# Altium PCB 606-100835-r03.pcbdoc (part 3 of 3) (continued)
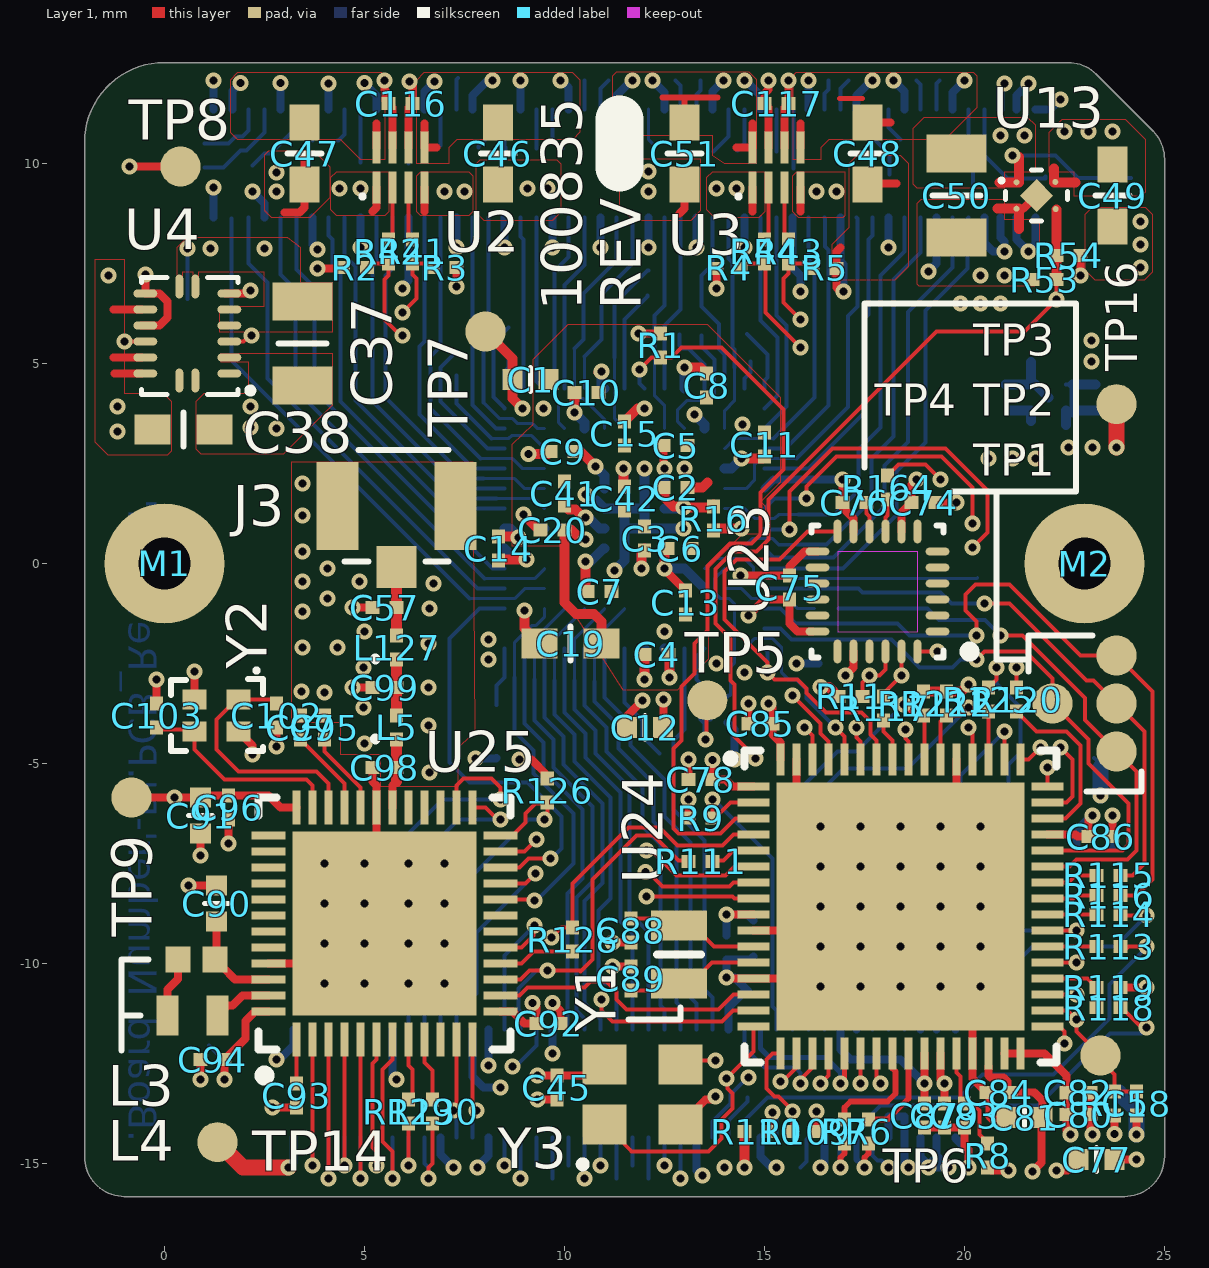
[diagram p0: Layer 1 view]
## Silkscreen, mask and mechanical layers (free items; w line width, h text height) (continued)
  text "LAYER 2 (POWER)" at 23.875,310.3 h2.29
  text "AND COPPER WEIGHT." at -247.908,308.845 h2.03
  text "DIELECTRIC" at -38.7,305.75 h2.29
  text "B  MANUFACTURER SHALL SUBMIT A PROPOSED STACK UP FOR SYNAPSE APPROVAL" at -247.908,304.845 h2.03
  text "LAYER 3 (SIGNAL)" at 23.875,301.325 h2.29
  text "1/2 OZ CU" at -39.025,301.05 h2.29
  text "IF MODIFICATION IS REQUIRED." at -247.908,300.845 h2.03
  text "1.57 +/-0.15" at -80.151,300.679 h2.29
  text "C  NO MATERIAL SUBSTITUTIONS WILL BE ALLOWED WITHOUT SYNAPSE APPROVAL." at -247.908,296.845 h2.03
  text "FINISHED" at -76.487,295.679 h2.29
  text "DIELECTRIC" at -38.175,294.65 h2.29
  text "6   PROCESSING ALLOWANCE:" at -247.908,290.845 h2.03
  text "THICKNESS" at -77.903,290.679 h2.29
  text "1/2 OZ CU" at -39.3,287.025 h2.29
  text "A  LAYER REGISTRATION FROM PRIMARY SIDE TO SECONDARY SIDE SHALL NOT" at -247.908,286.845 h2.03
  text "LAYER 4 (SIGNAL)" at 23.7,286.575 h2.29
  text "EXCEED 0.13mm TOTAL." at -247.908,282.845 h2.03
  text "DIELECTRIC" at -38.375,282.375 h2.29
  text "B  MAXIMUM BOW AND TWIST SHALL BE .75% PER IPC-TM-650." at -247.908,278.845 h2.03
  text "1/2 OZ CU" at -39.05,277.75 h2.29
  text "BLIND VIAS Layers 4-6" at 57.7,277.225 h2.29
  text "LAYER 5 (GROUND)" at 23.875,277.125 h2.29
  text "7   VIAS" at -247.908,272.845 h2.03
  text "DIELECTRIC" at -38,271.1 h2.29
  text "A  VIAS WITH A FINISHED HOLE SIZE OF 0.25mm OR SMALLER DO NOT REQUIRE" at -247.908,268.845 h2.03
  text "LAYER 6 (SIGNAL)" at 24.263,266.9 h2.29
  text "1/4 OZ CU" at -38.875,265.225 h2.29
  text "A MINIMUM HOLE SIZE AND MAY BE PLATED SHUT OR FILLED WITH SOLDER" at -247.908,264.845 h2.03
  text "SOLDERMASK" at 24.364,261.316 h2.29
  text "MASK. MINIMUM SOLDER PLATING MUST BE MAINTAINED." at -247.908,260.845 h2.03
  text "B  ALL LASER VIA IN PADS TO BE COPLANAR IF PRESENT IN DESIGN." at -247.908,256.845 h2.03
  text "SILKSCREEN" at 24.364,255.316 h2.29
  text "C  ALL VIAS AND PLATED TROUGH-HOLES CAN BE STACKED AS REQUIRED FOR BEST BUILD." at -247.85,252.825 h2.03
  text "D  ALL DRILLED VIAS-IN-PAD TO BE FILLED WITH NON-CONDUCTIVE EPOXY." at -247.85,248.825 h2.03
  text "SECONDARY SIDE" at -10.4,248.45 h2.29
  text "8   CONDUCTORS:  COPPER FOIL SHALL BE IN ACCORDANCE WITH IPC-4562/0." at -247.908,240.62 h2.03
  text "A  FINISH. COPPER PLATE THICKNESS ON SURFACE COPPER AND PLATED" at -247.908,236.62 h2.03
  text "THROUGH HOLES TO BE 0.025mm MINIMUM." at -247.908,232.62 h2.03
  text "LAYER DETAIL" at -20.647,229.681 h5.08
  text "B  MINIMUM FINISH CONDUCTOR WIDTH IS 0.083mm" at -247.908,228.62 h2.03
  text "C  MINIMUM FINISHED CONDUCTOR SPACING (AIR GAP) INCLUDING PADS, VIAS," at -247.908,224.62 h2.03
  text "SCALE:NONE" at -6.923,222.676 h2.29
  text "SHAPES, ETC. IS 0.083mm." at -247.908,220.62 h2.03
  text "9   FINAL FINISH SHALL BE ELECTROLESS NICKEL / IMMERSION GOLD (ENIG)." at -247.908,214.62 h2.03
  text "CAP CONSTRUCTION SHOWN (PREFERRED)" at -26.907,214.481 h2.29
  text "FINISH THICKNESS SHALL BE 3 TO 6 um [118 TO 236 MICROINCHES] OF NICKEL" at -247.908,210.62 h2.03
  text "CORE CONSTRUCTION ACCEPTABLE" at -21.411,209.676 h2.29
  text "AND 0.04 TO 0.125um [1.5 TO 5 MICROINCHES] OF GOLD." at -247.908,206.62 h2.03
  text "FINISH SHALL BE RoHS COMPLIANT AND MEET REQUIREMENTS OF IPC-4552." at -247.908,202.62 h2.03
  text "C" at 515.127,202.346 h7.62
  text "C" at -269.682,202.143 h7.62
  text "10  FILLETING IS NOT PERMITTED WITHOUT PRIOR SYNAPSE APPROVAL." at -247.908,196.62 h2.03
  text "11  SOLDER MASK AND COATING:" at -247.908,190.62 h2.03
  text "A  APPLY SOLDERMASK TO PRIMARY AND SECONDARY" at -247.908,185.62 h2.03
  text "SIDES OF PRINTED WIRING BOARD USING SUPPLIED GERBER FILES IN ACCORDANCE" at -247.908,181.62 h2.03
  text "WITH IPC-SM-840, THICKNESS BETWEEN 0.02 - 0.04mm, COLOR GREEN LIQUID" at -247.908,177.62 h2.03
  text "REF" at -19.191,175.19 h2.29
  text "TRACE" at 31.977,175.19 h2.29
  text "DIFF" at 45.893,175.19 h2.29
  text "SIG" at 58.809,175.19 h2.29
  text "PHOTO-IMAGEABLE, CLASS 2." at -247.908,173.62 h2.03
  text "LAYER" at -60.023,173.19 h2.29
  text "IMPEDANCE" at -41.687,173.19 h2.29
  text "TYPE" at 5.893,173.19 h2.29
  text "LYR" at -19.191,171.19 h2.29
  text "WIDTH" at 31.977,171.19 h2.29
  text "GAP" at 45.809,171.19 h2.29
  text "TYPE" at 58.893,171.19 h2.29
  text "B  DO NOT ADJUST SOLDERMASK-DEFINED CLEARANCE." at -247.908,168.62 h2.03
  text "12  OVERALL BOARD THICKNESS SHALL BE MEASURED OVER FINAL FINISH INCLUDING" at -247.908,162.62 h2.03
  text "50 OHM" at -41.443,160.74 h2.29
  text "3" at -17.359,160.74 h2.29
  text ".279" at 32.893,160.74 h2.29
  text "COPLANAR WAVEGUIDE" at -8.35,160.325 h2.29
  text "LAYER 1" at -61.855,160.19 h2.29
  text "SOLDER MASK." at -247.908,158.62 h2.03
  text "13  SILKSCREEN:  APPLY SILKSCREEN (LEGEND) TO PRIMARY AND SECONDARY SIDES" at -247.908,152.62 h2.03
  text "OF PRINTED CIRCUIT BOARD. USE PERMANENT INK, NON-NUTRIENT, NON-" at -247.908,148.62 h2.03
  text "LAYER 6" at -61.855,148.19 h2.29
  text "CONDUCTIVE POLYMER, COLOR WHITE, PER IPC-4781, TYPE 2. RELIEVE LEGEND" at -247.908,144.62 h2.03
  text "FROM ALL EXPOSED LANDS AND HOLES AS REQUIRED." at -247.908,140.62 h2.03
  text "14  ANY ALTERATIONS TO THE PROVIDED GERBER ARTWORK FILES MUST BE SUBMITTED" at -247.908,134.62 h2.03
  text "TO SYNAPSE FOR APPROVAL." at -247.908,130.62 h2.03
  text "15  IMPEDANCE REQUIREMENTS: LAYERS AND SIGNALS WITH CONTROLLED IMPEDANCES" at -247.908,124.62 h2.03
  text "ARE DETAILED IN THE CONTROLLED IMPEDANCE CHART. MANUFACTURER HAS THE" at -247.908,120.62 h2.03
  text "OPTION OF ADJUSTING THE DIELECTRIC THICKNESS AND TRACE WIDTHS AS" at -240.158,116.37 h2.03
  text "REQUIRED TO MEET THE SPECIFICATIONS CONTAINED IN THIS DRAWING." at -240.158,112.37 h2.03
  text "IMPEDANCE CONTROL CHART" at -46.179,109.19 h5.08
  text "A  IMPEDANCE TOLERANCES ARE +/-10%." at -247.658,107.37 h2.03
  text "B  ANY ADJUSTMENTS TO DIELECTRIC THICKNESS OR TRACE WIDTHS MUST BE" at -247.658,102.62 h2.03
  text "14" at -1.067,100.19 h2.03
  text "APPROVED BY SYNAPSE." at -247.908,98.87 h2.03
  text "C  IMPEDANCE TEST RESULTS AND TEST COUPONS FROM EACH LOT SHALL BE" at -248,95 h2.03
  text "PROVIDED TO SYNAPSE." at -248,91 h2.03
  text "16  MARK MANUFACTURER NAME, INITIALS, OR LOGO, LOT NUMBER, DATE CODE," at -247.908,85.12 h2.03
  text "UL RECOGNITION MARK AND FLAME RATING IN ETCH OR SILKSCREEN." at -247.908,81.12 h2.03
  text "B" at -269.453,76.743 h7.62
  text "B" at 515.254,76.743 h7.62
  text "17  PANELIZATION: COORDINATE WITH SYNAPSE OR THE SYNAPSE SPECIFIED" at -247.908,75.37 h2.03
  text "ASSEMBLY VENDOR FOR PANEL SIZE AND CONFIGURATION. IF BOARDS ARE" at -247.908,71.37 h2.03
  text "NOT TO BE COMPLETELY ROUTED OUT, TRIM PANELIZATION TABS TO LESS" at -247.908,67.37 h2.03
  text "THAN 0.1mm UPON DE-PANELIZATION. AVOID PANELIZATION TABS IN AREAS" at -247.908,63.37 h2.03
  text "INDICATED ON THIS DRAWING." at -247.908,59.37 h2.03
  text "18  BOARD MUST BE ELECTRICALLY TESTED USING SUPPLIED IPC-356 NETLIST." at -247.408,54.37 h2.03
  text "x 5" at 39.108,-18.841 h1.5
  text "A" at 515,-49.012 h7.62
  text "A" at -269.707,-49.139 h7.62
  text "APPROVALS" at 307.134,-52.519 h2.03
  text "DATE" at 350.194,-52.519 h2.03
  text "UNLESS OTHERWISE" at 251.186,-54.519 h2.54
  text "DESIGNER" at 290.442,-58.519 h2.03
  text "SPECIFIED" at 258.298,-59.519 h2.54
  text "DIMENSIONS ARE" at 253.218,-64.519 h2.54
  text "07/13/16" at 344.282,-64.519 h2.54
  text "PRICE" at 294.3,-64.6 h2.54
  text "1511 Sixth Ave. Suite 300, Seattle, WA 98101 206.381.0898" at 381.53,-65.519 h2.54
  text "IN MILLIMETERS" at 253.218,-69.519 h2.54
  text "ENGINEER" at 290.442,-71.519 h2.03
  text "PRINTED CIRCUIT BOARD" at 407.938,-74.019 h3.81
  text "PROPRIETARY" at 202.678,-74.519 h3.81
  text "BRUEY" at 294.442,-77.519 h2.54
  text "TOLERANCES:" at 257.266,-79.519 h2.54
  text "AND" at 214.87,-80.519 h3.81
  text ".Board_Name" at 416.25,-82.1 h5.08
  text "MECH ENG" at 290.442,-84.519 h2.03
  text ".XX" at 255.946,-86.519 h2.29
  text "0.25" at 269.442,-86.519 h2.29
  text "CONFIDENTIAL" at 201.154,-87.269 h3.81
  text "SIZE" at 373.594,-88.519 h1.78
  text "DWG NO" at 384.442,-88.519 h1.78
  text "REV" at 492.306,-88.519 h1.78
  text "CHENG" at 294.442,-90.519 h2.54
  text "THE INFORMATION CONTAINED IN" at 203.168,-91.519 h1.52
  text ".XXX" at 254.114,-93.519 h2.29
  text "0.127" at 269.442,-93.519 h2.29
  text "THIS DRAWING IS PROPRIETARY AND" at 201.344,-94.269 h1.52
  text "RESTRICTED. ANY REPRODUCTION" at 203.168,-97.019 h1.52
  text ".Board_Number" at 433.6,-97.85 h7.62
  text "601-" at 404.562,-97.869 h7.62
  text "D" at 373.394,-98.519 h7.62
  text ".PCB_Revision" at 488.346,-98.519 h7.62
  text "IN PART OR WHOLE WITHOUT THE" at 203.168,-99.769 h1.52
  text "ANGLES" at 256.45,-100.519 h2.29
  text "5" at 275.442,-100.519 h2.29
  text "EXPRESS WRITTEN PERMISSION" at 204.134,-102.519 h1.52
  text "OF THE OWNER IS PROHIBITED" at 204.134,-105.269 h1.52
  text "SCALE:NONE" at 374.322,-105.519 h1.78
  text "SHEET 1 OF 1" at 485.898,-105.519 h1.78
  text "1" at 453.482,-117.567 h7.62
  text "6" at -97.978,-117.719 h7.62
  text "5" at 12.461,-117.719 h7.62
  text "4" at 121.91,-117.998 h7.62
  text "3" at 232.73,-118.024 h7.62
  text "2" at 343.169,-118.024 h7.62
  text "7" at -208.087,-118.583 h7.62
ASY_DWG:
  circle w0.38: c279.185,-97.971 r0.829
  lines w0.025: -250.058,358.23 -250.058,363.232 -245.059,363.232 -245.059,358.23 -250.058,358.23
  lines w0.3: 289.442,-107.519 289.442,-47.519 ; 289.442,-93.519 369.442,-93.519 ; 289.442,-80.519 369.442,-80.519 ; 289.442,-67.519 369.442,-67.519 510.442,-67.519 ; 289.442,-54.519 369.442,-54.519 ; 320.212,323.691 510.212,323.691 ; 320.212,330.441 510.212,330.441 ; 320.212,337.316 510.212,337.316 ; 320.242,344.106 510.242,344.106 ; 320.242,350.856 510.242,350.856 ; 320.242,357.731 510.242,357.731 ; 320.442,364.481 510.442,364.481 ; 320.767,371.573 320.442,371.481 510.442,371.481 ; 320.767,386.573 320.442,386.481 510.442,386.481 ; 334.412,323.441 334.412,352.441 ; 334.442,343.856 334.442,372.856 ; 334.442,350.606 334.442,379.606 ; 334.442,357.481 334.442,386.481 ; 339.442,-107.519 339.442,-47.519 ; 369.442,-107.519 369.442,-47.519 ; 369.442,-101.519 510.442,-101.519 ; 369.442,-85.519 509.442,-85.519 ; 382.442,-101.519 382.442,-85.519 ; 459.412,323.441 459.412,352.441 ; 459.442,343.856 459.442,372.856 ; 459.442,350.606 459.442,379.606 ; 459.442,357.481 459.442,386.481 ; 478.442,-101.519 478.442,-85.519 ; 490.412,323.441 490.412,352.441 ; 490.442,343.856 490.442,372.856 ; 490.442,350.606 490.442,379.606 ; 490.442,357.481 490.442,386.481
  lines w0.38: 264.442,-93.519 266.442,-93.519 ; 264.442,-91.519 266.442,-91.519 ; 264.442,-86.519 266.442,-86.519 ; 264.442,-84.519 266.442,-84.519 ; 265.442,-92.519 265.442,-90.519 ; 265.442,-85.519 265.442,-83.519 ; 270.442,-100.519 272.442,-100.519 ; 270.442,-98.519 272.442,-98.519 ; 271.442,-99.519 271.442,-97.519
  lines w0.508: 290.464,393.685 290.464,406.639 ; 290.464,393.685 290.464,406.639 ; 290.464,393.685 290.464,406.639 ; -280.147,17.13 -260.843,17.13 -280.147,17.13 ; -280.147,17.587 -260.843,17.587 -280.147,17.587 ; -280.147,142.529 -260.843,142.529 -280.147,142.529 ; -280.147,142.987 -260.843,142.987 -280.147,142.987 ; -280.147,267.929 -260.843,267.929 -280.147,267.929 ; -280.147,268.386 -260.843,268.386 -280.147,268.386 ; -150.911,-120.97 -150.911,-108.016 -150.911,-120.97 ; -150.911,393.685 -150.911,406.639 -150.911,393.685 ; -150.454,-120.97 -150.454,-108.016 -150.454,-120.97 ; -150.454,393.685 -150.454,406.639 -150.454,393.685 ; -40.701,-120.97 -40.701,-108.016 -40.701,-120.97 ; -40.701,393.685 -40.701,406.639 -40.701,393.685 ; -40.244,-120.97 -40.244,-108.016 -40.244,-120.97 ; -40.244,393.685 -40.244,406.639 -40.244,393.685 ; 69.535,-120.97 69.535,-108.016 69.535,-120.97 ; 69.535,393.685 69.535,406.639 69.535,393.685 ; 69.992,-120.97 69.992,-108.016 69.992,-120.97 ; 69.992,393.685 69.992,406.639 69.992,393.685 ; 179.797,393.685 179.797,406.639 179.797,393.685 ; 180.254,393.685 180.254,406.639 180.254,393.685 ; 290.007,393.685 290.007,406.639 290.007,393.685 ; 400.218,393.939 400.218,406.639 400.218,393.939 ; 400.243,-120.97 400.243,-108.016 400.243,-120.97 ; 400.675,393.685 400.675,406.639 400.675,393.685 ; 400.7,-120.97 400.7,-108.016 400.7,-120.97 ; 510.682,17.13 529.986,17.13 510.682,17.13 ; 510.682,17.587 529.986,17.587 510.682,17.587 ; 510.682,142.555 529.986,142.555 510.682,142.555 ; 510.682,143.012 529.986,143.012 510.682,143.012 ; 510.682,267.98 529.986,267.98 510.682,267.98 ; 510.682,268.437 529.986,268.437 510.682,268.437
  lines w1: -260.558,-107.519 510.442,-107.519 510.442,393.481 -260.558,393.481 -260.558,-107.519
  lines w1.1: 180.442,-120.519 180.442,-107.519 ; 194.442,-107.519 194.442,-67.519 245.442,-67.519 ; 245.442,-107.519 245.442,-67.519 ; 289.442,-120.519 289.442,-107.519 ; 320.412,323.441 320.412,359.441 ; 320.442,343.856 320.442,379.856 ; 320.442,350.606 320.442,386.606 ; 320.442,357.481 320.442,393.481 ; 320.442,378.481 510.442,378.481 ; 369.442,-47.519 245.442,-47.519 245.442,-67.519
  text "1" at 453.278,397.469 h7.62
  text "6" at -98.054,397.291 h7.62
  text "5" at 12.538,397.215 h7.62
  text "7" at -207.985,397.164 h7.62
  text "4" at 122.139,397.063 h7.62
  text "3" at 232.908,397.063 h7.62
  text "2" at 342.941,397.063 h7.62
  text "REVISIONS" at 407.298,388.481 h2.54
  text "NOTES: UNLESS OTHERWISE SPECIFIED" at -248.408,381.481 h2.03
  text "REV" at 325.006,381.481 h2.03
  text "DESCRIPTION" at 379.51,381.481 h2.03
  text "DATE" at 471.194,381.481 h2.03
  text "APRVD" at 496.382,381.481 h2.03
  text "1   RoHS COMPLIANT ASSEMBLY REQUIRED. ASSEMBLE PER IPC-A-610, CLASS 2," at -248.308,374.981 h2.03
  text "INITIAL RELEASE" at 336.442,373.481 h2.54
  text "06/03/16" at 465.282,373.481 h2.54
  text "01" at 325,373 h2.54
  text "2   AQUEOUS BASED CLEANING AFTER SOLDER FOR ALL COMPONENTS IS PREFERRED, FOR DESIGNS WITH" at -248.214,369.776 h2.03
  text "INITIAL BUILD" at 336.442,366.506 h2.54
  text "06/06/16" at 465.282,366.506 h2.54
  text "02" at 325,366 h2.54
  text "CSP CHIP(S) PRESENT IN DESIGN USE ONLY NO-CLEAN RoHS SOLDER PROCESS." at -248.358,365.631 h2.03
  text "ANTENNA TUNING, POWER TEST POINTS." at 336,360 h2.54
  text "07/13/16" at 465,360 h2.54
  text "3   ITEM IDENTIFICATION: MARK REVISION NUMBER OF THIS DRAWING IN THE SPACE PROVIDED." at -248.558,359.731 h2.03
  text "D" at 515.127,327.797 h7.62
  text "D" at -269.555,327.645 h7.62
  text "C" at 515.127,202.346 h7.62
  text "C" at -269.682,202.143 h7.62
  text "B" at -269.453,76.743 h7.62
  text "B" at 515.254,76.743 h7.62
  text "ASSEMBLY TOP" at -26.8,-41.3 h7.62
  text "A" at 515,-49.012 h7.62
  text "A" at -269.707,-49.139 h7.62
  text "APPROVALS" at 307.134,-52.519 h2.03
  text "DATE" at 350.194,-52.519 h2.03
  text "UNLESS OTHERWISE" at 251.186,-54.519 h2.54
  text "DESIGNER" at 290.442,-58.519 h2.03
  text "SPECIFIED" at 258.298,-59.519 h2.54
  text "DIMENSIONS ARE" at 253.218,-64.519 h2.54
  text "PRICE" at 294.442,-64.519 h2.54
  text "07/13/16" at 344.282,-64.519 h2.54
  text "1511 Sixth Ave. Suite 300, Seattle, WA 98101 206.381.0898" at 381.53,-65.519 h2.54
  text "IN MILLIMETERS" at 253.218,-69.519 h2.54
  text "ENGINEER" at 290.442,-71.519 h2.03
  text "PRINTED CIRCUIT BOARD ASSEMBLY" at 394.222,-74.019 h3.81
  text "PROPRIETARY" at 202.678,-74.519 h3.81
  text "BRUEY" at 294.442,-77.519 h2.54
  text "TOLERANCES:" at 257.266,-79.519 h2.54
  text "AND" at 214.87,-80.519 h3.81
  text ".Board_Name" at 409.5,-82.5 h5.08
  text "MECH ENG" at 290.442,-84.519 h2.03
  text ".XX" at 255.946,-86.519 h2.29
  text "0.25" at 269.442,-86.519 h2.29
  text "CONFIDENTIAL" at 201.154,-87.269 h3.81
  text "SIZE" at 373.594,-88.519 h1.78
  text "DWG NO" at 384.442,-88.519 h1.78
  text "REV" at 492.306,-88.519 h1.78
  text "CHENG" at 294.442,-90.519 h2.54
  text "THE INFORMATION CONTAINED IN" at 203.168,-91.519 h1.52
  text ".XXX" at 254.114,-93.519 h2.29
  text "0.127" at 269.442,-93.519 h2.29
  text "THIS DRAWING IS PROPRIETARY AND" at 201.344,-94.269 h1.52
  text "RESTRICTED. ANY REPRODUCTION" at 203.168,-97.019 h1.52
  text ".Board_Number" at 433.6,-97.85 h7.62
  text "600-" at 404.562,-97.869 h7.62
  text "D" at 373.394,-98.519 h7.62
  text ".PCB_Revision" at 488.346,-98.519 h7.62
  text "IN PART OR WHOLE WITHOUT THE" at 203.168,-99.769 h1.52
  text "ANGLES" at 256.45,-100.519 h2.29
  text "5" at 275.442,-100.519 h2.29
  text "EXPRESS WRITTEN PERMISSION" at 204.134,-102.519 h1.52
  text "OF THE OWNER IS PROHIBITED" at 204.134,-105.269 h1.52
  text "SCALE:NONE" at 374.322,-105.519 h1.78
  text "SHEET 1 OF 1" at 485.898,-105.519 h1.78
  text "1" at 453.482,-117.567 h7.62
  text "6" at -97.978,-117.719 h7.62
  text "5" at 12.461,-117.719 h7.62
  text "4" at 121.91,-117.998 h7.62
  text "3" at 232.73,-118.024 h7.62
  text "2" at 343.169,-118.024 h7.62
  text "7" at -208.087,-118.583 h7.62
ASY_DWG_R:
  lines w0.3: -260.544,-101.477 -119.544,-101.477 ; -260.544,-67.477 -119.544,-67.477 ; -259.544,-85.477 -119.544,-85.477 ; -228.544,-101.477 -228.544,-85.477 ; -132.544,-101.477 -132.544,-85.477 ; -119.544,-107.477 -119.544,-47.477
  lines w0.508: -40.566,393.727 -40.566,406.681 ; -40.566,393.727 -40.566,406.681 ; -40.566,393.727 -40.566,406.681 ; -280.088,17.172 -260.784,17.172 -280.088,17.172 ; -280.088,17.629 -260.784,17.629 -280.088,17.629 ; -280.088,142.597 -260.784,142.597 -280.088,142.597 ; -280.088,143.054 -260.784,143.054 -280.088,143.054 ; -280.088,268.022 -260.784,268.022 -280.088,268.022 ; -280.088,268.479 -260.784,268.479 -280.088,268.479 ; -150.802,-120.928 -150.802,-107.974 -150.802,-120.928 ; -150.777,393.727 -150.777,406.681 -150.777,393.727 ; -150.345,-120.928 -150.345,-107.974 -150.345,-120.928 ; -150.32,393.981 -150.32,406.681 -150.32,393.981 ; -40.109,393.727 -40.109,406.681 -40.109,393.727 ; 69.644,393.727 69.644,406.681 69.644,393.727 ; 70.101,393.727 70.101,406.681 70.101,393.727 ; 179.906,-120.928 179.906,-107.974 179.906,-120.928 ; 179.906,393.727 179.906,406.681 179.906,393.727 ; 180.363,-120.928 180.363,-107.974 180.363,-120.928 ; 180.363,393.727 180.363,406.681 180.363,393.727 ; 290.142,-120.928 290.142,-107.974 290.142,-120.928 ; 290.142,393.727 290.142,406.681 290.142,393.727 ; 290.599,-120.928 290.599,-107.974 290.599,-120.928 ; 290.599,393.727 290.599,406.681 290.599,393.727 ; 400.352,-120.928 400.352,-107.974 400.352,-120.928 ; 400.352,393.727 400.352,406.681 400.352,393.727 ; 400.809,-120.928 400.809,-107.974 400.809,-120.928 ; 400.809,393.727 400.809,406.681 400.809,393.727 ; 510.741,17.172 530.045,17.172 510.741,17.172 ; 510.741,17.629 530.045,17.629 510.741,17.629 ; 510.741,142.571 530.045,142.571 510.741,142.571 ; 510.741,143.029 530.045,143.029 510.741,143.029 ; 510.741,267.971 530.045,267.971 510.741,267.971 ; 510.741,268.428 530.045,268.428 510.741,268.428
  lines w1: -260.544,-107.477 510.456,-107.477 510.456,393.523 -260.544,393.523 -260.544,-107.477
  lines w1.1: -39.544,-120.477 -39.544,-107.477 ; 69.456,-120.477 69.456,-107.477
  text "1" at -203.38,397.511 h7.62
  text "6" at 347.952,397.333 h7.62
  text "5" at 237.36,397.257 h7.62
  text "7" at 457.883,397.206 h7.62
  text "2" at -93.043,397.105 h7.62
  text "3" at 16.99,397.105 h7.62
  text "4" at 127.759,397.105 h7.62
  text "D" at -265.229,327.839 h7.62
  text "D" at 519.453,327.687 h7.62
  text "C" at -265.229,202.388 h7.62
  text "C" at 519.58,202.185 h7.62
  text "B" at -265.356,76.785 h7.62
  text "B" at 519.351,76.785 h7.62
  text "ASSEMBLY BOTTOM" at 63.6,-41.5 h7.62
  text "A" at -265.102,-48.97 h7.62
  text "A" at 519.605,-49.097 h7.62
  text "1511 Sixth Ave. Suite 300, Seattle, WA 98101 206.381.0898" at -131.632,-65.477 h2.54
  text "PRINTED CIRCUIT BOARD ASSEMBLY" at -144.324,-73.977 h3.81
  text ".Board_Name" at -154.675,-82.45 h5.08
  text "REV" at -242.408,-88.477 h1.78
  text "DWG NO" at -134.544,-88.477 h1.78
  text "SIZE" at -123.696,-88.477 h1.78
  text ".PCB_Revision" at -238.448,-98.477 h7.62
  text "D" at -123.496,-98.477 h7.62
  text "600-" at -149.9,-98.575 h7.62
  text ".Board_Number" at -179.91,-98.627 h7.62
  text "SHEET 2 OF 2" at -236,-105.477 h1.78
  text "SCALE:NONE" at -124.424,-105.477 h1.78
  text "1" at -203.584,-117.525 h7.62
  text "5" at 237.437,-117.677 h7.62
  text "6" at 347.876,-117.677 h7.62
  text "4" at 127.988,-117.956 h7.62
  text "2" at -93.271,-117.982 h7.62
  text "3" at 17.168,-117.982 h7.62
  text "7" at 457.985,-118.541 h7.62
TITLEBLOCK:
  lines w0.25: -11.574,-45.773 109.426,-45.773 ; 46.926,-26.773 109.426,-26.773 109.426,-55.273 -11.574,-55.273 -11.574,-33.273 109.426,-33.273 ; 64.926,-55.273 64.926,-26.773 ; 64.926,-38.273 109.426,-38.273 ; 98.426,-45.773 98.426,-38.273
  text "PRODUCT" at 51.17,-29.273 h1.52
  text "1511 SIXTH AVENUE, THIRD FLOOR" at 65.926,-29.273 h1.52
  text "DEVELOPMENT" at 49.238,-32.273 h1.52
  text "SEATTLE,WA 98101  206.381.0898" at 65.926,-32.273 h1.52
  text "DATE" at 65.926,-35.273 h1.02
  text "07/13/16" at 78.806,-36.773 h2.03
  text "PRINTED CIRCUIT BOARD" at 7.19,-37.773 h2.29
  text "PART NUMBER" at 65.926,-40.273 h1.02
  text "REV" at 102.702,-40.273 h1.02
  text ".Board_Name" at 6.272,-43.763 h3.81
  text "601-" at 71.766,-44.273 h2.54
  text ".Board_Number" at 82.434,-44.273 h2.54
  text ".PCB_Revision" at 101.894,-44.273 h2.54
  text "PROPRIETARY AND CONFIDENTIAL" at 70.152,-48.773 h1.52
  text "THE INFORMATION CONTAINED IN THIS DRAWING IS PROPRIETARY AND" at 68.936,-50.773 h0.76
  text "RESTRICTED. ANY REPRODUCTION IN PART OR WHOLE WITHOUT THE" at 69.848,-52.273 h0.76
  text "EXPRESS WRITTEN PERMISSION OF THE OWNER IS PROHIBITED" at 70.564,-53.773 h0.76
Assembly_Top:
  lines w0.15: -2.6,2.075 3.2,2.075 ; 0.025,-6.325 0.425,-6.325 ; 4.75,-0.775 4.725,-0.8 3.2,-0.8 3.2,-0.45 3.2,2.075 ; 13.075,-16.85 13.075,-16.5 17.425,-16.5 18.55,-16.5 18.55,-16.6 18.55,-16.9 18.55,-19.45 17.65,-19.45 13.075,-19.45 ; 13.075,-16.825 13.075,-19.45 ; 14.075,1.15 14.75,1.15 ; 15.8,-16.475 15.8,-15.225 ; 20.8,-16.5 20.8,-15.45 ; 20.95,-2.75 20.95,-0.775 20.95,2.7 25.425,2.7 ; 21.6,-4.3 17.4,-4.3 17.4,-3.825 16,-3.825 16,-4.325 14.25,-4.325 14.25,-2.775 21.6,-2.775 ; 21.625,-4.275 21.625,-2.775 ; 21.825,-4.225 22.875,-4.225 22.875,-5.475 ; 21.825,-2.75 22.8,-2.75 22.8,-1.6 24.6,-1.6 24.6,-5.475 22.9,-5.475 ; 24.25,-8.6 25.4,-8.6 ; 24.625,-3.2 25.4,-3.2 ; 3.2,2.075 3.2,2.075 ; 13.075,-19.45 13.075,-19.45 ; 28.25,-2.075 28.25,-0.825 31.15,-0.825 31.15,-5.325 28.425,-5.325 28.325,-5.325 28.325,-4.05 25.425,-4.05 25.425,-3.35 25.425,-2.075 28.25,-2.075 ; 28.25,-2.075 28.25,-2.075 ; -5.375,-2.825 -5.375,1.375 -4.075,1.375 -4.075,4.025 -5.275,4.025 -5.275,5.525 -2.575,5.525 -2.575,-2.825 -5.375,-2.825 ; 4.7,-5.6 6.3,-5.6 6.3,-0.65 4.75,-0.65 4.75,-1.6 5.2,-1.6 5.2,-2.55 4.7,-2.55 4.7,-5.6 ; 13.625,-15.225 17.975,-15.225 17.975,-13.175 13.625,-13.175 13.625,-15.225 ; 18.425,-15.45 18.425,-14.825 18.425,-12.9 19.6,-12.9 24.75,-12.9 24.75,-15.45 19.45,-15.45 18.425,-15.45 ; 19.2,-20.4 21.6,-20.4 29.675,-20.4 29.675,-16.5 21.6,-16.5 19.2,-16.5 19.2,-18.9 19.2,-20.4 ; 22.75,-12.875 22.75,-6.15 24.25,-6.15 24.25,-12.875 22.75,-12.875 ; 25.4,-14.65 28.6,-14.65 28.6,-5.65 25.4,-5.65 25.4,-14.65 ; 25.5,0.2 25.5,3.05 36,3.05 36,0 28.75,0 28.75,1.55 27.95,1.55 27.95,0.2 25.5,0.2
  text "DIMENSIONS ARE FOR REFERENCE ONLY." at -9.538,-48.459 h2.29
  text "USE BOARD OUTLINE FOR DIMENSIONAL DATA." at -14.488,-54.159 h2.29
Drill Drawing:
  lines w0.254: -110.791,43.067 -110.367,43.067 -109.944,42.644 -109.521,43.067 -109.097,43.067 -109.521,43.49 -109.097,43.913 -109.521,43.913 -109.944,44.337 -110.367,43.913 -110.791,43.913 -110.367,43.49 -110.791,43.067
  lines w0.381: -112.31,41.501 83.573,41.501 ; -112.31,45.311 83.573,45.311 ; -98.317,37.691 -98.317,49.121 ; -84.605,37.691 -84.605,49.121 ; -57.181,37.691 -57.181,49.121 ; -44.332,37.691 -44.332,49.121 ; -25.693,37.691 -25.693,49.121 ; 4.524,37.691 4.524,49.121 ; 19.506,37.691 19.506,49.121 ; 38.45,37.691 38.45,49.121 ; 54.955,37.691 54.955,49.121 ; -112.31,37.691 83.573,37.691 83.573,49.121 -112.31,49.121 -112.31,37.691
  text "Symbol" at -110.024,46.454 h1.83
  text "Count" at -97.174,46.454 h1.83
  text "Hole Size" at -83.462,46.454 h1.83
  text "Plated" at -56.038,46.454 h1.83
  text "Hole Type" at -43.189,46.454 h1.83
  text "Drill Layer Pair" at -24.55,46.454 h1.83
  text "Via/Pad" at 5.667,46.454 h1.83
  text "Pad Shape" at 20.649,46.454 h1.83
  text "Template" at 39.593,46.454 h1.83
  text "Hole Tolerance" at 56.098,46.454 h1.83
  text "80" at -97.174,42.644 h1.52
  text "0.279mm (11.00mil)" at -83.462,42.644 h1.52
  text "PTH" at -56.038,42.644 h1.52
  text "Round" at -43.189,42.644 h1.52
  text "Layer 4 - Layer 6" at -24.55,42.644 h1.52
  text "Via" at 5.667,42.644 h1.52
  text "Rounded" at 20.649,42.644 h1.52
  text "v38h28mx0" at 39.593,42.644 h1.52
  text "80 Total" at -97.174,38.834 h1.52
DXF_12022015_bot:
  drawing of 815 lines, arcs and shapes, not listed
DXF_12022015_top:
  circle w0.1: c23,0 r1.5
  circle w0.1: c23,0 r0.65
  circle w0.1: c0,0 r0.65
  circle w0.1: c0,0 r1.5
  lines w0.1: -4.04,0 -2.54,0 0,0 ; -2,-1.234 -1.976,-1.271 ; 0,-4.04 0,-2.54 0,0 ; 0,4.04 0,2.54 0,0 ; 4.04,0 2.54,0 0,0 ; 24.976,-1.271 25,-1.234 ; -2,-0.965 ccw(c0,-0.965) -0.518,-2.897 0.258,-3.105 cw(c-0.26,-5.037) 1.74,-5.037 1.74,-14.5 ccw(c2.74,-14.5) 2.74,-15.5 20.26,-15.5 ccw(c20.26,-14.5) 21.26,-14.5 21.26,-5.037 cw(c23.26,-5.037) 22.742,-3.105 23.518,-2.897 ccw(c23,-0.965) 25,-0.965 25,10.086 ccw(c24,10.086) 24.707,10.793 23.293,12.207 ccw(c22.586,11.5) 22.586,12.5 0,12.5 ccw(c0,10.5) -2,10.5 -2,-0.965

## Text inside footprints (layer, text, board x,y; h text height)
D1: Bottom Overlay "A" at 6.775,-5.15 h0.7 r270; Bottom Overlay "C" at 6.55,-4.125 h0.7 r270
J1: Bottom Overlay "1" at -0.1,8 h0.7; Bottom Overlay "2" at 0.1,11.3 h0.7; Bottom Overlay "99" at 23.492,7.931 h0.7; Assembly_Bottom "99" at 24.575,8.55 h0.6; Assembly_Bottom "100" at 24.95,10.95 h0.6; Assembly_Bottom "2" at -0.65,10.775 h0.6; Assembly_Bottom "1" at -0.8,8.225 h0.6
J2: Bottom Overlay "79" at 21.275,-15.2 h0.7; Bottom Overlay "80" at 21.5,-11.7 h0.7; Bottom Overlay "2" at 2.6,-11.7 h0.7; Bottom Overlay "1" at 2.348,-15.041 h0.7; Assembly_Bottom "1" at 1.7,-14.9 h0.6; Assembly_Bottom "2" at 1.825,-12.075 h0.6; Assembly_Bottom "80" at 22,-11.975 h0.6; Assembly_Bottom "79" at 22.05,-14.65 h0.6
J3: Mechanical 24 "1" at 4.294,0.908 h0.64; Mechanical 24 "2" at 5.813,-0.585 h0.64; Mechanical 24 "3" at 5.813,2.37 h0.64
Y3: Mechanical 24 "3" at 12.51,-13.969 h0.64 r270